# Altium PCB SAMC21_Xplained_Pro.PcbDoc (part 3 of 4)
Units mm, origin at the board's own origin, x right, y up, seen from the top; angles counter-clockwise.
Board outline 60 x 100 mm, 4 copper layers (Top Layer LF-signals, GND, POWER, Bottom Layer LF-signals), stack 1.604 mm thick; 218 components, 156 nets, 975 pads, 347 vias.
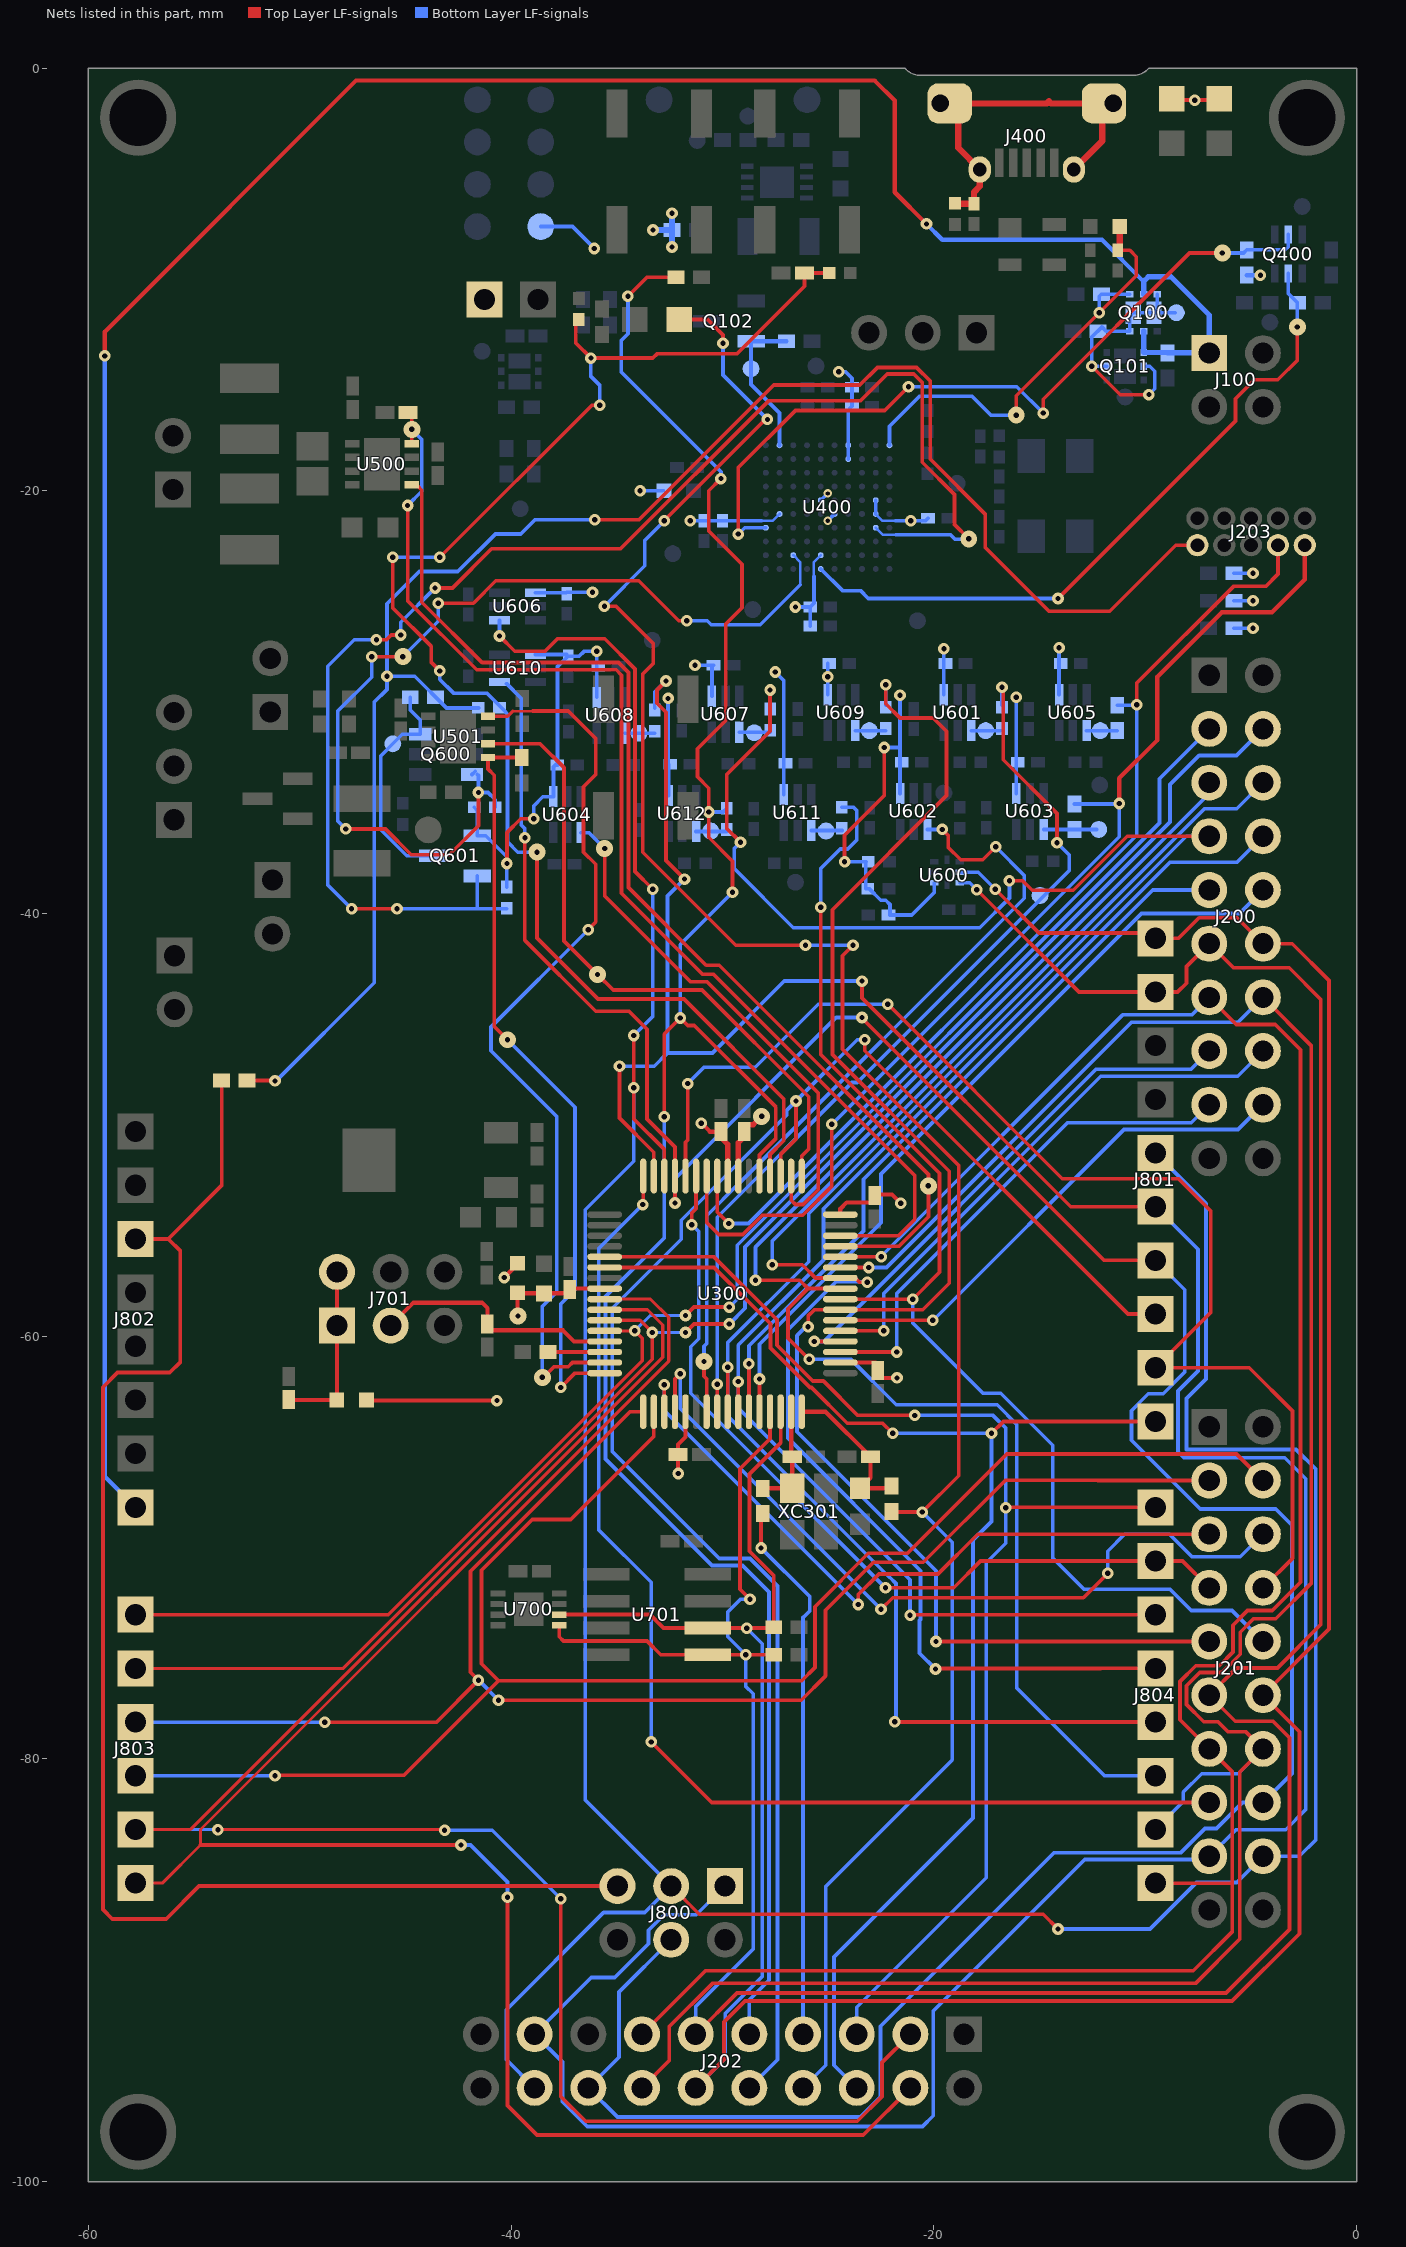
[diagram p5: the nets of this part, all layers, seen from the top]

## Via types
v1: diameter 0.55, hole 0.25, Top Layer LF-signals to Bottom Layer LF-signals, 245 vias
v2: diameter 0.55/0.8 (per signal layer), hole 0.25, Top Layer LF-signals to Bottom Layer LF-signals, tented top, 43 vias
v3: diameter 0.55, hole 0.25, Top Layer LF-signals to Bottom Layer LF-signals, tented top, 19 vias
v4: diameter 0.55, hole 0.25, Top Layer LF-signals to Bottom Layer LF-signals, tented both sides, 16 vias
v5: diameter 0.4, hole 0.2, Top Layer LF-signals to Bottom Layer LF-signals, tented both sides, 10 vias
v6: diameter 0.4, hole 0.2, Top Layer LF-signals to Bottom Layer LF-signals, tented top, 7 vias
v7: diameter 0.4, hole 0.2, Top Layer LF-signals to Bottom Layer LF-signals, 6 vias
v8: diameter 0.55/0.55 (per signal layer), hole 0.25, Top Layer LF-signals to Bottom Layer LF-signals, 1 vias

## Nets (pads, with @x,y where several pads share a name; then routed paths per layer and width w, separated by ;. In a path a pad name is that pad's centre, name@x,y a point inside that pad or via, vN(x,y) a via of type N, cw(c..) or ccw(c..) an arc to the next point about the centre after c; other vN are vias at no path point) (continued)
PA04_SDADC_VREF: C703.1 J701.3@-45.7,-59.5 U300.13 | length 11.4
  Top Layer LF-signals w0.2: J701.3@-45.7,-59.5 -44.615,-58.415 -41.385,-58.415 -41.125,-58.675 C703.1@-41.125,-59.425 ; C703.1@-40.875,-59.725 -37.55,-59.725 -37.025,-60.25 U300.13@-35.575,-60.25
PA05_QTB_Y3: R701.2 U300.14 | length 2.7
  Top Layer LF-signals w0.175: R701.2@-38.25,-60.75 U300.14@-35.575,-60.75
PA06_S0_LIN_TX: U300.15 U501.4 | length 43.3
  Top Layer LF-signals w0.125: -39.925,-30.425 -38.975,-30.425
  Top Layer LF-signals w0.15: U501.4@-41.1,-30.67 -40.17,-30.67 -39.925,-30.425
  Top Layer LF-signals w0.175: -38.975,-30.425 -37.3,-30.425 -36,-31.725 -36,-33.425 -36.575,-34 -36.575,-37.1 -36,-37.675 -36,-40.4 v1@-36.375,-40.775 ; v2@-38.5,-61.975 -37.975,-61.45 -37.3,-61.45 -37.1,-61.25 U300.15@-35.575,-61.25
  Bottom Layer LF-signals w0.175: v2(-38.525,-61.95) -38.525,-58.6 -37.85,-57.925 -37.85,-49.6 -40.95,-46.5 -40.95,-45.375 v1(-36.35,-40.775)
PA07_S0_LIN_RX: R504.1 U300.16 U501.1 | length 36
  Top Layer LF-signals w0.175: v2(-40.175,-45.975) -40.8,-45.35 -40.8,-33.463 -41.1,-33.162 U501.1@-41.1,-32.62 R504.1@-39.5,-32.62 ; R504.1@-39.5,-32.625 R504.1@-39.352,-32.773 ; v1(-37.65,-62.425) -36.975,-61.75 U300.16@-35.575,-61.75
  Bottom Layer LF-signals w0.175: v2(-40.175,-45.975) -36.975,-49.175 -36.975,-57.804 -37.65,-58.479 v1(-37.65,-62.425)
PA08_AIN10_X0: J201.3@-6.97,-66.83 J803.3@-57.778,-78.26 U300.17 | length 74.8
  Top Layer LF-signals w0.175: v1(-48.825,-78.275) -43.55,-78.275 v1(-41.55,-76.275) -41.925,-75.9 -41.925,-71.125 -34.375,-63.575 U300.17@-33.75,-63.575 ; v1@-40.525,-77.225 -26.275,-77.225 -25.125,-76.075 -25.125,-72.975 -22.85,-70.7 -20.5,-70.7 -16.625,-66.825 -12.25,-66.825 -12.245,-66.83 J201.3@-6.97,-66.83
  Bottom Layer LF-signals w0.175: J803.3@-57.778,-78.26 -57.763,-78.275 v1(-48.825,-78.275) ; v1@-41.475,-76.275 v1(-41.55,-76.275) v1(-40.6,-77.225)
PA09_AIN11_X1: J201.4@-4.43,-66.83 J803.4@-57.778,-80.8 U300.18 | length 79.3
  Top Layer LF-signals w0.175: v1@-51.175,-80.775 -45.075,-80.775 -40.6,-76.3 ; U300.18@-33.25,-63.575 -33.25,-64.75 -37.175,-68.675 -38.997,-68.675 -41.4,-71.078 -41.4,-75.5 -40.6,-76.3 ; J201.4@-4.43,-66.83 -5.685,-65.575 -16.55,-65.575 -21.25,-70.275 -23.1,-70.275 -25.625,-72.8 -25.625,-75.675 -26.25,-76.3 -40.6,-76.3
  Bottom Layer LF-signals w0.15: J803.4@-57.778,-80.8 v1(-51.175,-80.8)
PA10_GPIO_X2: J201.5@-6.97,-69.37 U300.19 | length 33.7
  Top Layer LF-signals w0.175: U300.19@-32.75,-63.575 v1(-32.75,-62.3) ; v1(-23.575,-72.7) -23.575,-72.225 -22.6,-71.25 -19.8,-71.25 -17.92,-69.37 J201.5@-6.97,-69.37
  Bottom Layer LF-signals w0.175: v1(-32.75,-62.3) -32.75,-63.525 v1(-23.575,-72.7)
PA11_GPIO_X3: J201.6@-4.43,-69.37 U300.20 | length 38
  Top Layer LF-signals w0.175: U300.20@-32.25,-63.575 -32.25,-62.025 v1(-32,-61.775) ; v1(-22.5,-72.925) -21.95,-72.375 -12.925,-72.375 v1(-11.775,-71.225)
  Bottom Layer LF-signals w0.175: v1(-32,-61.775) -32,-63.425 v1(-22.5,-72.925) ; v1(-11.775,-71.225) -11.775,-70.175 -10.975,-69.375 -8.85,-69.375 -7.782,-70.443 -5.503,-70.443 J201.6@-4.43,-69.37
PA12_S2_I2C_SDA: J200.11@-6.97,-41.43 J201.11@-6.97,-76.99 J202.11@-31.27,-93.03 J801.9@-9.518,-43.716 R305.1 U300.29 U600.7 U700.5 U701.5 | length 145.4
  Top Layer LF-signals w0.175: U700.5@-37.725,-73.675 -37.725,-74.225 -37.525,-74.425 -33.575,-74.425 -32.92,-75.08 U701.5@-30.7,-75.08 -27.58,-75.08 R305.1@-27.575,-75.075 ; J202.11@-31.27,-93.03 -29.315,-91.075 -6.175,-91.075 -3.175,-88.075 -3.175,-79 -3.95,-78.225 -5.735,-78.225 J201.11@-6.97,-76.99 -5.68,-75.7 -3.742,-75.7 -1.7,-73.658 -1.7,-44.055 -3.18,-42.575 -5.825,-42.575 J200.11@-6.97,-41.43 -8.05,-42.51 -8.05,-43.3 -8.466,-43.716 J801.9@-9.518,-43.716 -13.134,-43.716 v1(-17.975,-38.875) ; v1(-28.7,-72.45) -29.175,-71.975 -29.175,-66.275 -27.75,-64.85 U300.29@-27.75,-63.575
  Bottom Layer LF-signals w0.175: J202.11@-31.27,-93.03 -31.27,-91.72 -28.55,-89 -28.55,-76.925 -28.9,-76.575 v1(-28.9,-75.075) -29.75,-74.225 -29.75,-73.05 -29.15,-72.45 v1(-28.7,-72.45) ; U600.7@-18.77,-38.55 -18.3,-38.55 v1(-17.975,-38.875)
PA13_S2_I2C_SCL: J200.12@-4.43,-41.43 J201.12@-4.43,-76.99 J202.12@-31.27,-95.57 J801.10@-9.518,-41.176 R306.1 U300.30 U600.6 U700.6 U701.6 | length 145.2
  Top Layer LF-signals w0.125: R306.1@-27.635,-73.81 R306.1@-27.6,-73.775
  Top Layer LF-signals w0.175: U700.6@-37.725,-73.175 -33.425,-73.175 -32.79,-73.81 U701.6@-30.7,-73.81 R306.1@-27.635,-73.81 ; J202.12@-31.27,-95.57 -29.925,-94.225 -29.925,-92.45 -28.937,-91.462 -5.887,-91.462 -2.7,-88.275 -2.7,-78.72 J201.12@-4.43,-76.99 -1.3,-73.86 -1.3,-43.175 -3.045,-41.43 J200.12@-4.43,-41.43 -5.66,-40.2 -7.45,-40.2 -8.426,-41.176 J801.10@-9.518,-41.176 -9.77,-40.924 -15.026,-40.924 v1(-17.1,-38.85) ; R306.1@-27.575,-73.775 -27.575,-71.329 -28.725,-70.179 -28.725,-66.525 -27.25,-65.05 U300.30@-27.25,-63.575
  Bottom Layer LF-signals w0.175: J202.12@-31.27,-95.57 -29.875,-94.175 -29.875,-92.05 -28.123,-90.298 -28.123,-74.553 v1(-28.85,-73.825) ; U600.6@-18.77,-38.05 -17.9,-38.05 v1(-17.1,-38.85)
PA14_PWM_TC4_W0: J202.7@-26.19,-93.03 R313.2 | length 25.8
  Top Layer LF-signals w0.175: v1(-28.175,-70.025) -28.175,-68.475 R313.2@-28.1,-68.4
  Bottom Layer LF-signals w0.175: v1(-28.175,-70.025) -25.877,-72.323 -25.877,-72.6 -25.877,-73.006 -26.169,-73.298 -26.19,-73.298 J202.7@-26.19,-93.03
PA14_XIN: C318.1 R313.1 U300.31 XC301.1 | length 5
  Top Layer LF-signals w0.2: R313.1@-28.1,-67.2 XC301.1@-26.7,-67.2 C318.1@-26.7,-65.7 ; C318.1@-26.75,-65.65 U300.31@-26.75,-63.575
PA15_PWM_TC4_W1: D700.1 J202.8@-26.19,-95.57 R314.2 | length 106.5
  Top Layer LF-signals w0.175: v1(-35.587,-25.463) -35.037,-25.463 -33.275,-27.225 -33.275,-28.175 -33.775,-28.675 -33.775,-37.104 -29.379,-41.5 v1(-26.075,-41.5) ; v1(-32.75,-21.425) -32.75,-21.396 -27.979,-16.625 v1(-27.875,-16.625) ; D700.1@-32.05,-11.9 -30.7,-11.9 -29.975,-12.625 v1(-29.975,-13.025) ; v1(-23.825,-41.5) -24.325,-42 -24.325,-46.425 -18.825,-51.925 -18.825,-66.6 v1(-20.55,-68.325) -21.975,-68.325 R314.2@-22,-68.3
  Bottom Layer LF-signals w0.175: v1(-35.587,-25.463) -33.675,-23.55 -33.675,-22.35 v1(-32.75,-21.425) ; v1(-29.975,-13.025) -29.975,-14.525 v1(-27.875,-16.625) ; J202.8@-26.19,-95.57 -25.117,-94.497 -25.117,-86.042 -19.125,-80.05 -19.125,-69.75 v1(-20.55,-68.325) ; v1(-26.075,-41.5) v1(-23.825,-41.5)
PA15_XOUT: C319.1 J300.2 R314.1 U300.32 | length 7.2
  Top Layer LF-signals w0.2: U300.32@-26.25,-63.575 -25.125,-63.575 C319.1@-23,-65.7 -23,-66.7 J300.2@-23.5,-67.2 R314.1@-22.1,-67.2
PA16_S1_SPI_MISO: J200.17@-6.97,-49.05 U300.35 | length 23.9
  Top Layer LF-signals w0.175: U300.35@-24.425,-60.75 v1(-21.75,-60.75)
  Bottom Layer LF-signals w0.175: v1(-21.75,-60.75) -21.75,-57.975 -13.675,-49.9 -7.82,-49.9 J200.17@-6.97,-49.05
PA17_S1_SPI_SS: J200.15@-6.97,-46.51 U300.36 | length 25.6
  Top Layer LF-signals w0.175: v1@-25.662,-60.225 -25.637,-60.25 U300.36@-24.425,-60.25
  Bottom Layer LF-signals w0.175: v1(-25.662,-60.25) -25.2,-60.25 -12.325,-47.375 -7.835,-47.375 J200.15@-6.97,-46.51
PA18_S1_SPI_MOSI_Y22: J200.16@-4.43,-46.51 U300.37 | length 26.7
  Top Layer LF-signals w0.175: U300.37@-24.4,-59.725 U300.37@-24.425,-59.75 v1(-22.375,-59.75) v1@-22.3,-59.825
  Bottom Layer LF-signals w0.175: v1(-22.375,-59.75) -22.375,-57.977 -12.098,-47.7 -5.62,-47.7 J200.16@-4.43,-46.51
PA19_S1_SPI_SCK_Y23: J200.18@-4.43,-49.05 U300.38 | length 24.3
  Top Layer LF-signals w0.175: U300.38@-24.425,-59.25 v1(-20.05,-59.25)
  Bottom Layer LF-signals w0.175: v1@-20.075,-59.3 -11,-50.225 -5.605,-50.225 J200.18@-4.43,-49.05
PA20_GPIO_RTS_TE_Y26: J200.5@-6.97,-33.81 J804.3@-9.518,-80.8 U300.41 | length 72.6
  Top Layer LF-signals w0.175: v1(-28.437,-57.35) -26.35,-57.35 -25.95,-57.75 ; v1(-25.9,-61.1) -26.9,-60.1 -26.9,-58.7 -25.95,-57.75 ; U300.41@-24.425,-57.75 -25.95,-57.75
  Bottom Layer LF-signals w0.175: v1(-28.437,-57.35) -28.437,-55.788 -6.97,-34.32 J200.5@-6.97,-33.81 ; v1(-25.9,-61.1) -23.925,-61.1 -21.775,-63.25 -17,-63.25 -16.075,-64.175 -16.075,-76.65 -11.925,-80.8 J804.3@-9.518,-80.8
PA21_GPIO_CTS_Y27: J200.6@-4.43,-33.81 J804.5@-9.518,-75.72 U300.42 | length 72.3
  Top Layer LF-signals w0.175: v1(-27.641,-56.625) -26.225,-56.625 -25.6,-57.25 U300.42@-24.425,-57.25 -23.723,-57.25 -23.52,-57.453 v1(-23.151,-57.453) ; v1@-19.925,-75.725 -12.1,-75.725 -12.095,-75.72 J804.5@-9.518,-75.72
  Bottom Layer LF-signals w0.175: v1(-27.641,-56.625) -27.641,-55.491 -7.2,-35.05 -5.67,-35.05 J200.6@-4.43,-33.81 ; v1(-23.151,-57.453) -23.151,-57.449 -23.175,-57.425 -24.625,-57.425 -26.9,-59.7 -26.9,-64.825 -20.627,-71.098 -20.627,-73.406 -20.675,-73.454 -20.675,-75 v1(-19.925,-75.75)
PA22_S3_UART_TX: J200.14@-4.43,-43.97 J201.14@-4.43,-79.53 J202.14@-33.81,-95.57 J804.2@-9.518,-83.34 U300.43 | length 116.4
  Top Layer LF-signals w0.175: J202.14@-33.81,-95.57 -32.515,-94.275 -32.515,-92.665 -30.475,-90.625 -7.625,-90.625 -5.525,-88.525 -5.525,-80.625 J201.14@-4.43,-79.53 -5.235,-78.725 -6.075,-78.725 -6.55,-78.25 -7.227,-78.25 -8.043,-77.434 -8.043,-76.546 -7.414,-75.917 -6.367,-75.917 -5.503,-75.052 -5.503,-74.006 -4.872,-73.375 -3.825,-73.375 -2.15,-71.7 -2.15,-46.25 J200.14@-4.43,-43.97 ; U300.43@-24.425,-56.75 v1@-23.05,-56.75
  Bottom Layer LF-signals w0.175: v1(-23.075,-56.75) -22.244,-56.75 -10.644,-45.15 -5.61,-45.15 J200.14@-4.43,-43.97 ; J804.2@-9.518,-83.34 -8.2,-82.022 -8.2,-81.575 -7.325,-80.7 -5.6,-80.7 J201.14@-4.43,-79.53
PA23_S3_UART_RX: J200.13@-6.97,-43.97 J201.13@-6.97,-79.53 J202.13@-33.81,-93.03 J804.1@-9.518,-85.88 U300.44 | length 107.9
  Top Layer LF-signals w0.175: J202.13@-33.81,-93.03 -30.805,-90.025 -7.725,-90.025 -5.875,-88.175 -5.875,-80.625 J201.13@-6.97,-79.53 -8.353,-78.147 -8.353,-76.34 -7.613,-75.6 -6.5,-75.6 -5.85,-74.95 -5.85,-73.675 -5.158,-72.983 -3.986,-72.983 -2.65,-71.647 -2.65,-46.45 -3.85,-45.25 -5.69,-45.25 J200.13@-6.97,-43.97 ; U300.44@-24.425,-56.25 v1(-22.494,-56.25) ; J804.1@-9.518,-85.88 -5.88,-85.88
  Bottom Layer LF-signals w0.175: v1@-22.494,-56.225 -11.069,-44.8 -7.8,-44.8 J200.13@-6.97,-43.97
PA24_CAN0_TX: U300.45 U500.1 | length 53.5
  Top Layer LF-signals w0.175: U500.1@-44.438,-19.763 -44.225,-19.975 -44.225,-25.275 -41.375,-28.125 -34.925,-28.125 -34.45,-28.6 -34.45,-38.775 -30.775,-42.45 -30.15,-42.45 -20.25,-52.35 -20.25,-54.35 -21.64,-55.74 U300.45@-24.415,-55.74
  other v2: -20.262,-52.887
PA25_CAN0_RX: C501.1 U300.46 U500.4 | length 57.4
  Top Layer LF-signals w0.175: v1(-44.9,-20.7) -44.9,-25.2 -41.63,-28.47 -35.03,-28.47 -34.775,-28.725 -34.775,-39.05 -30.95,-42.875 -30.425,-42.875 -20.9,-52.4 -20.9,-54.475 -21.675,-55.25 U300.46@-24.425,-55.25 ; C501.1@-44.875,-16.295 -44.7,-16.47 v2(-44.7,-17.095) U500.4@-44.7,-17.77
  Bottom Layer LF-signals w0.175: v1(-44.9,-20.7) -44.225,-20.025 -44.225,-17.57 v2(-44.7,-17.095)
PA27_GPIO_SS: J202.10@-28.73,-95.57 J801.3@-9.518,-58.956 U300.51 | length 82.7
  Top Layer LF-signals w0.175: U300.51@-27.25,-52.425 -27.25,-51.4 -26.525,-50.675 v1(-26.525,-48.875) ; v1(-23.275,-45.975) -23.275,-46.5 -10.819,-58.956 J801.3@-9.518,-58.956
  Bottom Layer LF-signals w0.175: J202.10@-28.73,-95.57 -27.4,-94.24 -27.4,-71.825 -28.7,-70.525 -30.15,-70.525 -35.213,-65.463 -35.213,-58.684 -31.948,-55.419 -31.948,-54.519 -26.975,-49.546 -26.975,-49.325 v1(-26.525,-48.875) -23.625,-45.975 v1(-23.275,-45.975)
PA28_GPIO_IRQ8: J202.9@-28.73,-93.03 R621.2 R700.2 U300.53 | length 107.1
  Top Layer LF-signals w0.175: v1(-34.475,-10.8) -33.575,-9.9 R700.2@-32.2,-9.9 ; v1(-32.76,-49.625) -32.76,-45.71 v1(-32,-44.95) -31.65,-45.3 -31.338,-45.3 -27.475,-49.163 -27.475,-50.652 -28.25,-51.427 U300.53@-28.25,-52.425 ; v1(-30.075,-19.425) -30.65,-20 -30.65,-21.9 -29.077,-23.473 -29.077,-25.534 -29.85,-26.306 -29.85,-30.875 -31.187,-32.213 -31.187,-33.537 -30.65,-34.075 v1(-30.65,-35.2) -30.65,-36.4 -29.525,-37.525 v1(-29.525,-39)
  Bottom Layer LF-signals w0.175: v1(-34.475,-10.8) -34.475,-12.567 -34.785,-12.877 -34.785,-14.39 -30.075,-19.1 v1(-30.075,-19.425) ; v1(-32.76,-49.625) -32.76,-55.353 -35.533,-58.125 -35.533,-65.817 -30.502,-70.848 -29.052,-70.848 -27.8,-72.1 -27.8,-90.475 -28.73,-91.405 J202.9@-28.73,-93.03 ; v1(-32,-44.95) -32,-41.475 v1(-29.525,-39) ; v1(-30.65,-35.2) -29.975,-35.2 R621.2@-29.8,-35.025
PA30_SWCLK: J203.4@-3.72,-22.575 R612.2 U300.57 | length 47.7
  Top Layer LF-signals w0.175: U300.57@-30.25,-52.425 -30.25,-54.125 v1(-29.7,-54.675) ; v1(-10.4,-30.125) -10.4,-29.1 -5.825,-24.525 -4.3,-24.525 -3.72,-23.945 J203.4@-3.72,-22.575
  Bottom Layer LF-signals w0.175: v1(-29.7,-54.675) -28.775,-54.675 -10.4,-36.3 v1(-10.4,-30.125) -10.425,-30.15 R612.2@-11.325,-30.15
PA31_SWDIO: J203.2@-2.45,-22.575 R611.2 U300.58 | length 52.4
  Top Layer LF-signals w0.175: U300.58@-30.75,-52.425 -30.75,-54.625 -30.183,-55.192 -29.042,-55.192 -28.125,-54.275 -26.2,-54.275 -24.825,-52.9 v1(-24.825,-49.975)
  Top Layer LF-signals w0.2: v1(-11.225,-34.8) -11.225,-33.6 -9.425,-31.8 -9.425,-28.8 -6.375,-25.75 -4,-25.75 -2.45,-24.2 J203.2@-2.45,-22.575
  Bottom Layer LF-signals w0.175: v1(-24.825,-49.975) -11.225,-36.375 v1@-11.225,-34.825
  Bottom Layer LF-signals w0.2: R611.2@-13.35,-34.825 v1@-11.225,-34.825
PB00_S5_SPI_MOSI: J201.16@-4.43,-82.07 J202.16@-36.35,-95.57 J800.4@-32.429,-88.56 J801.4@-9.518,-56.416 U300.61 U610.4 | length 143.4
  Top Layer LF-signals w0.175: v1(-39.35,-36.425) -39.35,-41.275 -36,-44.625 -34.425,-44.625 -33.575,-45.475 -33.575,-49.725 -32.25,-51.05 U300.61@-32.25,-52.425 v1(-32.25,-53.703) ; v1@-23.425,-44.932 -11.941,-56.416 J801.4@-9.518,-56.416
  Bottom Layer LF-signals w0.175: U610.4@-40.225,-29.125 -39.525,-29.825 -39.525,-35.812 -39.35,-35.987 v1(-39.35,-36.425) ; J800.4@-32.429,-88.56 -34.9,-91.031 -34.9,-94.12 J202.16@-36.35,-95.57 -34.97,-96.95 -23.475,-96.95 -22.525,-96 -22.525,-92.65 -14.325,-84.45 -8.327,-84.45 -7.177,-83.3 -6.625,-83.3 -5.395,-82.07 J201.16@-4.43,-82.07 -3.05,-80.69 -3.05,-68.95 -3.825,-68.175 -7.4,-68.175 -10.65,-64.925 -10.65,-63.525 -9.851,-62.726 -9.151,-62.726 -8.125,-61.7 -8.125,-57.809 J801.4@-9.518,-56.416 ; v1(-32.25,-53.703) -32.25,-52.55 -24.625,-44.925 v1(-23.4,-44.925)
PB01_S5_SPI_SCK: J201.18@-4.43,-84.61 J202.18@-38.89,-95.57 J800.3@-32.429,-86.02 J801.6@-9.518,-51.336 U300.62 U606.4 | length 161.1
  Top Layer LF-signals w0.175: v1@-40.595,-26.875 v1@-40.55,-26.83 ; v1(-40.55,-26.875) -39.828,-27.597 -38.4,-27.597 -37.803,-27 -35.575,-27 -34.14,-28.435 -34.14,-38.012 v1(-33.302,-38.85) ; v1(-34.2,-45.775) v1(-34.2,-48.25) -34.2,-49.725 -32.75,-51.175 U300.62@-32.75,-52.425 ; J800.3@-32.429,-86.02 -31.098,-87.35 -14.825,-87.35 v1(-14.125,-88.05)
  Bottom Layer LF-signals w0.175: v1(-40.55,-26.875) U606.4@-40.55,-26.125 ; J202.18@-38.89,-95.57 -40.225,-94.235 -40.225,-91.875 -35.625,-87.275 -33.684,-87.275 J800.3@-32.429,-86.02 -36.5,-81.948 -36.5,-54.025 -34.2,-51.725 v1(-34.2,-48.25) ; v1(-34.2,-45.775) -33.302,-44.877 v1(-33.302,-38.85) ; v1(-14.125,-88.05) -9.775,-88.05 -7.575,-85.85 -5.67,-85.85 J201.18@-4.43,-84.61 -2.71,-84.61 -1.925,-83.825 -1.925,-66.3 -2.862,-65.363 -8.05,-65.363 -8.05,-62.95 -7.125,-62.025 -7.125,-53.729 J801.6@-9.518,-51.336
PB02_S5_SPI_MISO: J201.17@-6.97,-84.61 J202.17@-38.89,-93.03 J800.1@-29.889,-86.02 J801.5@-9.518,-53.876 R614.2 U300.63 | length 153.8
  Top Layer LF-signals w0.175: J202.17@-38.9,-93.02 J202.17@-38.89,-93.03 ; v1(-34.875,-47.225) -34.875,-49.675 -33.25,-51.3 U300.63@-33.25,-52.425 ; v1(-32.675,-29) -33.1,-29.425 -33.1,-30.05 -32.675,-30.475 -32.675,-37.5 v1(-31.8,-38.375) ; v1(-23.4,-43.2) -23.4,-44 -13.524,-53.876 J801.5@-9.518,-53.876
  Bottom Layer LF-signals w0.175: v1(-34.875,-47.225) -33.225,-47.225 -32.6,-46.6 ; R614.2@-33.2,-30.275 -33.2,-29.525 v1(-32.675,-29) ; v1(-31.8,-38.375) -32.6,-39.175 -32.6,-46.6 ; J800.1@-29.889,-86.02 -31.244,-87.375 -32.762,-87.375 -33.501,-88.114 -33.501,-88.751 -35.1,-90.35 -36.21,-90.35 J202.17@-38.89,-93.03 -37.575,-94.345 -37.575,-96.225 -36.4,-97.4 -20.538,-97.4 -20.025,-96.887 -20.025,-91.925 -12.86,-84.76 -7.12,-84.76 J201.17@-6.97,-84.61 -5.71,-83.35 -3.35,-83.35 -2.4,-82.4 -2.4,-66.75 -3.393,-65.757 -8.169,-65.757 -8.448,-65.479 -8.448,-64.752 -8.445,-64.75 -8.445,-62.595 -7.5,-61.65 -7.5,-55.894 J801.5@-9.518,-53.876 ; v1(-23.4,-43.2) -27.075,-43.2 -30.475,-46.6 -32.6,-46.6
PB03_S5_SPI_SS: J201.15@-6.97,-82.07 U300.64 | length 56.3
  Top Layer LF-signals w0.175: v1(-33.775,-53.775) -33.75,-53.75 U300.64@-33.75,-52.425 ; v1(-33.375,-79.2) -30.505,-82.07 J201.15@-6.97,-82.07
  Bottom Layer LF-signals w0.175: v1(-33.775,-53.775) -35.855,-55.855 -35.855,-69.17 -33.375,-71.65 v1(-33.375,-79.2)
PB04_GPIO: J202.5@-23.65,-93.03 J804.8@-9.518,-68.1 U300.5 | length 61.7
  Top Layer LF-signals w0.175: U300.5@-35.575,-56.25 -30.4,-56.25 -27.423,-59.227 -27.423,-60.431 -25.731,-62.123 -25.227,-62.123 -23.6,-63.75 v1(-20.9,-63.75) ; v1(-16.6,-68.125) -16.575,-68.1 J804.8@-9.518,-68.1
  Bottom Layer LF-signals w0.175: J202.5@-23.65,-93.03 -23.65,-91.75 -17.525,-85.625 -17.525,-70.725 -16.6,-69.8 v1(-16.6,-68.125) -16.6,-64.35 -17.2,-63.75 v1(-20.9,-63.75)
PB05_GPIO: J202.6@-23.65,-95.57 J801.1@-9.518,-64.036 U300.6 | length 64.7
  Top Layer LF-signals w0.175: U300.6@-35.575,-56.75 -30.4,-56.75 -27.733,-59.417 -27.733,-60.559 -25.859,-62.433 -25.792,-62.433 -24.1,-64.125 -22.425,-64.125 v1(-21.95,-64.6) ; v1(-17.275,-64.6) -16.711,-64.036 J801.1@-9.518,-64.036
  Bottom Layer LF-signals w0.175: J202.6@-23.65,-95.57 -24.723,-94.497 -24.723,-89.373 -18.15,-82.8 -18.15,-69.65 -17.275,-68.775 v1(-17.275,-64.6) v1(-21.95,-64.6)
PB06_AIN8_INN2: J202.4@-21.11,-95.57 J803.6@-57.778,-85.88 U300.9 | length 87.8
  Top Layer LF-signals w0.15: J803.6@-57.778,-85.88 -56.505,-85.88 -54.7,-84.075 -54.7,-83.341 -32.54,-61.181 -32.54,-59.115 -33.405,-58.25 U300.9@-35.575,-58.25
  Top Layer LF-signals w0.175: -54.7,-84.075 v1(-42.375,-84.075) ; v1(-40.175,-86.55) -40.175,-96.4 -38.775,-97.8 -23.34,-97.8 J202.4@-21.11,-95.57
  Bottom Layer LF-signals w0.175: v1(-42.375,-84.075) -41.925,-84.075 -40.175,-85.825 v1(-40.175,-86.55)
PB07_AIN9_INP2: J202.3@-21.11,-93.03 J803.5@-57.778,-83.34 U300.10 | length 89.3
  Top Layer LF-signals w0.15: J803.5@-57.778,-83.34 -55.165,-83.34 -32.825,-61 -32.825,-59.475 -33.55,-58.75 U300.10@-35.575,-58.75 ; v1(-53.875,-83.35) v1@-43.175,-83.35
  Top Layer LF-signals w0.175: v1(-37.65,-86.625) -37.65,-95.975 -36.475,-97.15 -23.625,-97.15 -22.45,-95.975 -22.45,-94.37 J202.3@-21.11,-93.03
  Bottom Layer LF-signals w0.15: J803.5@-57.778,-83.34 v1@-53.875,-83.34
  Bottom Layer LF-signals w0.175: v1(-43.15,-83.375) -40.9,-83.375 v1(-37.65,-86.625)
PB08_INN1_Y14: J200.4@-4.43,-31.27 J803.2@-57.778,-75.72 U300.11 | length 77.7
  Top Layer LF-signals w0.15: J803.2@-57.778,-75.72 -47.948,-75.72 -33.325,-61.097 v1(-33.325,-59.825) -33.9,-59.25 U300.11@-35.575,-59.25
  Top Layer LF-signals w0.175: v1(-31.75,-59.825) -31.35,-59.425 v1(-29.675,-59.425)
  Bottom Layer LF-signals w0.15: v1(-33.325,-59.825) v1(-31.75,-59.825)
  Bottom Layer LF-signals w0.175: v1(-29.675,-59.425) -28.935,-58.685 -28.935,-55.785 -8.825,-35.675 -8.825,-33.9 -7.45,-32.525 -5.685,-32.525 J200.4@-4.43,-31.27
PB09_INP1_Y15: J200.3@-6.97,-31.27 J803.1@-57.778,-73.18 U300.12 | length 73.6
  Top Layer LF-signals w0.15: J803.1@-57.778,-73.18 -45.811,-73.18 -33.8,-61.169 -33.8,-60.1 v1(-34.15,-59.75) U300.12@-35.575,-59.75
  Top Layer LF-signals w0.175: v1(-31.75,-59.025) -31.35,-58.625 v1(-29.675,-58.625)
  Bottom Layer LF-signals w0.15: v1(-34.15,-59.75) -33.425,-59.025 v1(-31.75,-59.025)
  Bottom Layer LF-signals w0.175: v1(-29.675,-58.625) -29.3,-58.25 -29.3,-55.7 -9.325,-35.725 -9.325,-33.625 J200.3@-6.97,-31.27
PB10_S4_CDC_TX: U300.23 U602.4 | length 38
  Top Layer LF-signals w0.175: v2(-30.875,-61.2) -30.875,-61.9 -30.75,-62.025 U300.23@-30.75,-63.575 ; v1(-19.6,-36.025) -19.325,-36.3 -19.325,-36.862 -18.725,-37.463 -17.688,-37.463 v1(-17.075,-36.85)
  Bottom Layer LF-signals w0.175: v2(-30.875,-61.2) -30.875,-60.475 -30.75,-60.35 -30.75,-54.3 -29.25,-52.8 -29.246,-52.8 -15.725,-39.279 -15.725,-38.2 v1(-17.075,-36.85) ; U602.4@-20.3,-36.025 v1(-19.6,-36.025)
PB11_S4_CDC_RX: pad.3@-14.975,-39.15 R607.1 U300.24 | length 43.5
  Top Layer LF-signals w0.175: U300.24@-30.25,-63.575 v1(-30.25,-62.275) ; v1(-16.775,-29.3) -16.717,-29.358 -16.717,-32.733 -14.175,-35.275 v1(-14.175,-36.65)
  Bottom Layer LF-signals w0.175: v1(-30.25,-62.275) -30.25,-54.375 -23.875,-48 -23.625,-48 -13.6,-37.975 -13.6,-37.225 v1(-14.175,-36.65) ; R607.1@-16.775,-30.15 v1(-16.775,-29.3)
PB12_PWM_TC0_W0: J200.7@-6.97,-36.35 J804.4@-9.518,-78.26 R618.2 U300.25 | length 106.5
  Top Layer LF-signals w0.175: U300.25@-29.75,-63.575 v1(-29.75,-61.475) ; v1(-29.15,-36.625) -29.798,-35.977 -29.798,-33.423 -27.75,-31.375 v1(-27.75,-29.425) ; v1(-21.85,-78.25) -21.84,-78.26 J804.4@-9.518,-78.26 ; v1(-16.425,-38.45) -15.8,-38.45 -15.35,-38.9 -13.4,-38.9 -10.85,-36.35 J200.7@-6.97,-36.35
  Bottom Layer LF-signals w0.175: v1(-29.15,-36.625) -29.45,-36.925 -29.45,-37.875 -26.65,-40.675 -17.825,-40.675 -16.425,-39.275 v1(-16.425,-38.45) ; R618.2@-27.75,-30.225 v1(-27.75,-29.425) ; v1(-21.85,-78.25) -21.792,-78.193 -21.792,-71.704 -22.084,-71.412 -22.113,-71.412 -29.75,-63.775 v1(-29.75,-61.475) -29.75,-60.3 -25.925,-56.475 -25.925,-54.213 -8.062,-36.35 J200.7@-6.97,-36.35
PB13_PWM_TC0_W1: J200.8@-4.43,-36.35 J804.6@-9.518,-73.18 U300.26 | length 65.4
  Top Layer LF-signals w0.175: U300.26@-29.25,-63.575 v1(-29.25,-62.15) ; v1@-21.125,-73.175 -21.12,-73.18 J804.6@-9.518,-73.18
  Bottom Layer LF-signals w0.175: v1(-21.125,-73.2) -21.125,-71.525 -29.25,-63.4 v1(-29.25,-62.15) -29.25,-60.425 -25.225,-56.4 -25.225,-53.975 -8.825,-37.575 -5.655,-37.575 J200.8@-4.43,-36.35
PB14_GPIO_IRQ14_Y30: J200.9@-6.97,-38.89 U300.27 | length 35.3
  Top Layer LF-signals w0.175: U300.27@-28.75,-63.575 v1(-28.75,-61.3)
  Bottom Layer LF-signals w0.175: v1(-28.75,-61.3) -28.75,-60.45 -23.325,-55.025 -23.325,-52.575 -9.64,-38.89 J200.9@-6.97,-38.89
PB15_GPIO_SS_Y31: J200.10@-4.43,-38.89 U300.28 | length 37.3
  Top Layer LF-signals w0.175: U300.28@-28.25,-63.575 v1(-28.25,-62.025)
  Bottom Layer LF-signals w0.175: v1@-28.25,-62.05 -28.25,-60.388 -22.5,-54.638 -22.5,-52.325 -10.175,-40 -5.54,-40 J200.10@-4.43,-38.89
PB16_GPIO_IRQ0: J201.9@-6.97,-74.45 R619.2 U300.39 | length 74.6
  Top Layer LF-signals w0.175: v1(-25.95,-59.55) -25.95,-59.05 -25.65,-58.75 U300.39@-24.425,-58.75 -20.525,-58.75 -19.275,-57.5 -19.275,-52.2 -24.8,-46.675 -24.8,-39.825 -19.4,-34.425 -19.4,-31.375 -20.025,-30.75 -21.6,-30.75 -22.275,-30.075 v1(-22.275,-29.175) ; v1(-19.9,-74.45) J201.9@-6.97,-74.45
  Bottom Layer LF-signals w0.175: v1(-25.95,-59.55) -26,-59.5 -26.475,-59.975 -26.475,-64.525 -19.9,-71.1 v1(-19.9,-74.45) ; R619.2@-22.275,-30.15 v1(-22.275,-29.175)
PB17_GPIO_SS: J201.10@-4.43,-74.45 R620.2 U300.40 | length 58.4
  Top Layer LF-signals w0.175: v1(-25.351,-39.702) -25.351,-46.674 -19.73,-52.295 -19.73,-56.98 v1(-21,-58.25) U300.40@-24.425,-58.25
  Bottom Layer LF-signals w0.175: v1(-25.351,-39.702) -25.351,-39.824 -25.35,-39.825 -25.35,-37.875 -24.425,-36.95 -24.075,-36.95 -23.65,-36.525 -23.65,-35.125 -23.8,-34.975 R620.2@-24.35,-34.975 ; v1(-21,-58.25) -21,-59.375 -17.675,-62.7 -16.837,-62.7 -14.375,-65.162 -14.375,-70.5 -12.9,-71.975 -8.825,-71.975 -7.817,-72.983 -5.897,-72.983 J201.10@-4.43,-74.45
PB22_LIN_EN: U300.49 U501.2 | length 30.8
  Top Layer LF-signals w0.175: U501.2@-41.1,-31.97 -38.63,-31.97 -37.5,-33.1 -37.5,-41.3 v2(-35.913,-42.887) -35.175,-43.625 -30.975,-43.625 -25.925,-48.675 -25.925,-51.15 -26.25,-51.475 U300.49@-26.25,-52.425
PB23_SS_EN: U300.50 U604.4 | length 25
  Top Layer LF-signals w0.175: v2(-35.575,-36.925) -35.575,-39.175 -31.525,-43.225 -30.75,-43.225 -25.475,-48.5 -25.475,-53.075 -26.175,-53.775 -26.55,-53.775 -26.75,-53.575 U300.50@-26.75,-52.425
  Bottom Layer LF-signals w0.175: U604.4@-36.7,-36.175 -36.325,-36.175 v2(-35.575,-36.925)
PB30_PWM_TCC0_W0: J201.7@-6.97,-71.91 J804.7@-9.518,-70.64 U300.59 | length 39.9
  Top Layer LF-signals w0.175: v1(-31.45,-54.725) -31.45,-54.175 -31.25,-53.975 U300.59@-31.25,-52.425 ; v1(-22.29,-71.91) -19.06,-71.91 -17.79,-70.64 J804.7@-9.518,-70.64 -8.24,-70.64 J201.7@-6.97,-71.91
  Bottom Layer LF-signals w0.175: v1(-31.45,-54.725) -31.125,-55.05 -31.125,-60.125 -31.5,-60.5 -31.5,-62.7 v1@-22.425,-71.775
PB31_PWM_TCC0_W1: J201.8@-4.43,-71.91 J801.2@-9.518,-61.496 U300.60 | length 59.6
  Top Layer LF-signals w0.175: U300.60@-31.75,-52.425 -31.75,-50.823 -31.65,-50.723 v1(-31.65,-48.05) ; v1(-22.175,-44.3) -13.925,-52.55 -8.425,-52.55 -6.9,-54.075 -6.9,-58.878 J801.2@-9.518,-61.496 -5.079,-61.496 -3.035,-63.54 -3.035,-70.515 J201.8@-4.43,-71.91
  Bottom Layer LF-signals w0.175: v1(-31.65,-48.05) -30.875,-47.275 -28.45,-47.275 -25.475,-44.3 v1(-22.175,-44.3)
POWER_LED_CTRL: Q400.2 R410.1 U400.K4 | length 36.9
  Top Layer LF-signals w0.175: v1(-29.25,-22.05) -29.25,-18.9 -26.55,-16.2 -22.325,-16.2 v1(-21.2,-15.075) ; v1(-14.825,-16.325) -14.825,-15.675 -7.9,-8.75 v2(-6.35,-8.75)
  Bottom Layer LF-signals w0.175: v1(-29.25,-22.05) -28.95,-21.75 U400.K4@-27.95,-21.75 ; v1(-21.2,-15.075) -16.075,-15.075 v1(-14.825,-16.325) ; v2(-6.35,-8.75) -5.35,-8.75 R410.1@-5.2,-8.6 -3.375,-8.6 -3.225,-8.45 Q400.2@-3.225,-7.875
RESET_UNO: J800.5@-34.969,-86.02 J802.3@-57.778,-55.4 R800.2 | length 70
  Top Layer LF-signals w0.175: J802.3@-57.778,-55.4 -56.225,-55.4 ; R800.2@-53.7,-48.125 -53.7,-52.875 -56.225,-55.4 ; J800.5@-34.969,-86.02 -54.77,-86.02 -56.325,-87.575 -58.875,-87.575 -59.315,-87.134 -59.315,-62.416 -58.625,-61.725 -56.15,-61.725 -55.65,-61.225 -55.65,-55.975 -56.225,-55.4
SHIELD: C403.2 J400.6@-11.512,-1.675 J400.7@-19.687,-1.675 J400.8@-13.375,-4.8 J400.9@-17.825,-4.8 R424.2 | length 18.7
  Top Layer LF-signals w0.2: -16.8,-1.675 -16.775,-1.65 ; -14.55,-1.575 -14.45,-1.675
  Top Layer LF-signals w0.3: R424.2@-19,-6.4 -18.975,-6.425 C403.2@-18.1,-6.425 -18.1,-5.875 -17.825,-5.6 J400.9@-17.825,-4.8 -18.85,-3.775 -18.85,-2.512 J400.7@-19.687,-1.675 -16.8,-1.675 -14.65,-1.675 -14.55,-1.575 ; -14.45,-1.675 J400.6@-11.512,-1.675 -12.025,-2.188 -12.025,-3.45 J400.8@-13.375,-4.8
STATUS_LED_CTRL: Q400.5 R413.2 U400.F1 | length 32.7
  Top Layer LF-signals w0.175: v4(-14.125,-25.1) -5.725,-16.7 -5.725,-15.65 -4.825,-14.75 -3.725,-14.75 -2.8,-13.825 v2(-2.8,-12.25)
  Bottom Layer LF-signals w0.175: U400.F1@-25.35,-23.7 -24.325,-24.725 -23.475,-24.725 -23.1,-25.1 v4(-14.125,-25.1) ; Q400.5@-3.225,-9.725 -3.225,-10.675 R413.2@-2.8,-11.1 v2(-2.8,-12.25)
T\A\R\G\E\T\_\V\C\C\_\E\N\A\B\L\E\: pad.3@-28.65,-14.225 Q102.2 R105.2 U400.J10 | length 7.2
  Bottom Layer LF-signals w0.2: U400.J10@-27.3,-17.85 -27.3,-16.325 -28.65,-14.975 Q102.2@-28.65,-12.925 R105.2@-26.975,-12.925
TARGET_CDC_RX: pad.3@-17.55,-31.35 R607.2 U601.4 | length 1.4
  Bottom Layer LF-signals w0.175: U601.4@-18.225,-31.35 R607.2@-16.775,-31.35
TARGET_DGI_GPIO0: pad.3@-28.5,-31.45 R618.1 U607.4 | length 1.4
  Bottom Layer LF-signals w0.175: U607.4@-29.2,-31.425 R618.1@-27.75,-31.425
TARGET_DGI_GPIO1: pad.3@-23.05,-31.35 R619.1 U609.4 | length 1.5
  Bottom Layer LF-signals w0.175: U609.4@-23.725,-31.35 R619.1@-22.275,-31.35
TARGET_DGI_GPIO2: pad.3@-25.1,-36.1 R620.1 U611.4 | length 1.5
  Bottom Layer LF-signals w0.175: U611.4@-25.8,-36.075 R620.1@-24.35,-36.075
TARGET_DGI_GPIO3: pad.3@-30.55,-36.1 R621.1 U612.4 | length 1.5
  Bottom Layer LF-signals w0.175: U612.4@-31.25,-36.125 R621.1@-29.8,-36.125
TARGET_DGI_SPI_MISO: pad.3@-33.95,-31.475 R614.1 U608.4 | length 1.4
  Bottom Layer LF-signals w0.175: U608.4@-34.65,-31.475 R614.1@-33.2,-31.475
TARGET_RESET: Q601.2 R605.1 U400.B4 | length 68.1
  Top Layer LF-signals w0.175: v1(-47.55,-39.775) v1(-45.4,-39.775) ; v1(-46.375,-27.05) -45.9,-27.05 -45.675,-26.825 v1(-45.225,-26.825) ; v1(-43.6,-24.6) -42.775,-24.6 -40.925,-22.75 -34.825,-22.75 -27.823,-15.748 -23.483,-15.748 -22.21,-14.475 -20.95,-14.475 -20.55,-14.875 -20.55,-18.65 -19.023,-20.177 -19.023,-21.602 v2(-18.35,-22.275)
  Bottom Layer LF-signals w0.125: U400.B4@-22.75,-21.75 -22.425,-22.075 -21.8,-22.075
  Bottom Layer LF-signals w0.175: v1(-47.55,-39.775) -48.675,-38.65 -48.675,-28.3 -47.425,-27.05 v1(-46.375,-27.05) ; v1(-45.4,-39.775) -41.6,-39.775 ; v1(-45.225,-26.825) -45.225,-26.225 v1(-43.6,-24.6) ; Q601.2@-41.6,-38.225 -41.6,-39.775 ; R605.1@-40.213,-39.775 -41.6,-39.775 ; -21.8,-22.075 -19.225,-22.075 -19,-22.3 v2@-18.35,-22.3
TARGET_RESET_CON: J203.10@-7.53,-22.575 R609.1 R610.2 R800.1 | length 83.2
  Top Layer LF-signals w0.175: R800.1@-52.5,-47.9 -51.2,-47.9 v1@-51.15,-47.95 ; v1(-36.05,-21.375) -33.946,-21.375 -27.571,-15 -23.502,-15 -22.667,-14.165 -20.822,-14.165 -20.175,-14.812 -20.175,-18.5 -17.575,-21.1 -17.575,-22.675 -14.55,-25.7 -11.675,-25.7 -8.55,-22.575 J203.10@-7.53,-22.575
  Bottom Layer LF-signals w0.175: v1@-51.15,-47.95 -46.475,-43.275 -46.475,-36.176 -46.485,-36.166 -46.485,-30.01 -45.875,-29.4 v1(-45.875,-28.775) ; R609.1@-41.55,-30.275 -43.062,-30.275 -44.562,-28.775 v1(-45.875,-28.775) ; v1(-36.05,-21.375) -38.875,-21.375 -39.543,-22.043 -40.743,-22.043 -42.525,-23.825 -44.35,-23.825 -45.875,-25.35 v1(-45.875,-28.775)
  other v1: -51.175,-47.925
TARGET_RESET_SENSE: C301.1 R300.1 R304.2 R609.2 U300.52 | length 71.8
  Top Layer LF-signals w0.175: v1(-45.6,-23.145) -45.6,-25.55 -43.775,-27.375 -43.775,-28.125 v1(-43.375,-28.525) ; v1(-43.375,-23.145) -36.181,-15.951 v1(-35.802,-15.951) ; v2(-38.775,-37.1) -38.775,-41.163 -35.887,-44.05 -31.825,-44.05 -27.1,-48.775 -27.1,-50.755 -27.75,-51.405 U300.52@-27.75,-52.425 ; R300.1@-36.95,-11.9 -36.95,-13 v1(-36.227,-13.723) -33.3,-13.723 -33.102,-13.525 -29.325,-13.525 -26.125,-10.325 C301.1@-26.125,-9.7 R304.2@-25,-9.7 ; v1@-35.802,-15.927 v1(-35.802,-15.951) ; v1@-35.802,-15.827 v1(-35.802,-15.951)
  Bottom Layer LF-signals w0.175: v1(-45.6,-23.145) v1(-43.375,-23.145) ; v1@-43.375,-28.475 -43.375,-28.925 -42.725,-29.575 -41.15,-29.575 -40.25,-30.475 -40.25,-30.5 -40.175,-30.575 -40.175,-36.612 -39.688,-37.1 v2(-38.775,-37.1) ; v1(-36.227,-13.723) -36.227,-14.598 -35.802,-15.023 v1(-35.802,-15.951)
TARGET_RESET_SENSE_LEVEL: Q600.6 R603.1 U400.H2 | length 45.7
  Top Layer LF-signals w0.175: v1(-47.825,-36) -45.95,-36 -44.725,-37.225 -42.925,-37.225 -41.55,-35.85 v1(-41.55,-34.275) ; v1(-46.6,-27.85) v2(-45.125,-27.85) ; v1(-43.45,-25.325) -41.787,-25.325 -40.725,-24.262 -33.963,-24.262 -32.075,-26.15 v1(-31.688,-26.15)
  Bottom Layer LF-signals w0.125: U400.H2@-26.65,-23.05 -26.325,-23.375 -26.325,-24.45
  Bottom Layer LF-signals w0.175: v1(-47.825,-36) -48.2,-35.625 -48.2,-30.425 -46.6,-28.825 v1(-46.6,-27.85) ; v2(-45.125,-27.85) -43.45,-26.175 v1(-43.45,-25.325) ; Q600.6@-41.85,-33.425 Q600.6@-41.7,-33.275 ; Q600.6@-41.6,-33.425 -41.55,-33.475 v1(-41.55,-34.275) -41.092,-34.275 -40.75,-34.617 R603.1@-40.75,-34.975 ; v1(-31.688,-26.15) -30.725,-26.15 -30.535,-26.34 -28.215,-26.34 -26.325,-24.45
TARGET_RESET_SENSE_X: pad.3@-45.6,-31.975 Q600.3 Q601.3 R610.1 | length 10.7
  Bottom Layer LF-signals w0.175: R610.1@-44.775,-29.775 -44.775,-30.375 -44.3,-30.85 Q600.3@-44.3,-31.525 -45.15,-31.525 pad.3@-45.6,-31.975 -46.175,-32.55 -46.175,-36.037 -44.937,-37.275 Q601.3@-43.7,-37.275
TARGET_SWCLK: pad.3@-12.125,-31.35 R612.1 U605.4 | length 1.4
  Bottom Layer LF-signals w0.175: U605.4@-12.775,-31.35 R612.1@-11.325,-31.35
TARGET_SWDIO: pad.3@-12.2,-36.025 R611.1 U603.4 | length 2.5
  Bottom Layer LF-signals w0.175: U603.4@-14.8,-36.025 R611.1@-13.35,-36.025 pad.3@-12.3,-36.025
VCC_AREF_P3V3_P5V0: C700.1 J701.1@-48.24,-59.5 J701.2@-48.24,-56.96 L700.2 | length 8.4
  Top Layer LF-signals w0.2: C700.1@-50.525,-63 -50.5,-63.025 L700.2@-48.25,-63.025 ; L700.2@-48.24,-63.025 J701.1@-48.24,-59.5 J701.2@-48.24,-56.96
VCC_EDBG_P3V3: C409.1 C410.1 C411.1 C412.1 C413.1 C414.1 C415.1 C600.1 C602.1 C604.1 C606.1 C608.1 C610.1 C612.1 C614.1 C616.1 C618.1 C620.1 C622.1 C624.1 D400.2 D401.2 L402.1 Q601.1 R401.2 R402.2 R409.2 R410.2 R425.1 R601.2 R602.2 R603.2 R605.2 TP407.1 U400.B5 U400.B6 U400.D9 U400.D10 U400.E5 U400.F2 U400.F6 U400.J5 U600.1 U601.1 U602.1 U603.1 U604.1 U605.1 U606.1 U607.1 U608.1 U609.1 U610.1 U611.1 U612.1 | length 96
  Top Layer LF-signals w0.175: v1(-40.2,-37.637) -40.2,-36.175 -39.55,-35.525 v1(-38.925,-35.525) ; v1(-24.225,-37.55) -24.225,-36.3 -22.35,-34.425 v1(-22.35,-32.15)
  Top Layer LF-signals w0.2: D400.2@-8.756,-1.518 D401.2@-6.47,-1.518
  Bottom Layer LF-signals w0.125: -28.159,-21.425 -27.625,-21.425 U400.J5@-27.3,-21.1 ; -25.675,-24.05 -25.675,-23.375 U400.F2@-25.35,-23.05 ; U400.B5@-22.75,-21.1 -22.425,-21.425 -21.825,-21.425
  Bottom Layer LF-signals w0.175: R603.2@-41.75,-34.975 -41.6,-35.125 Q601.1@-41.6,-36.325 -41.2,-36.325 -40.213,-37.312 R605.2@-40.213,-38.75 ; v1(-38.925,-35.525) -38.925,-34.9 -38.5,-34.475 U604.1@-38,-34.475 -38,-33.075 C608.1@-37.9,-32.975 ; U610.1@-38.85,-27.75 C620.1@-37.375,-27.75 ; U606.1@-38.85,-24.825 -37.4,-24.825 -37.375,-24.8 v1(-36.15,-24.8) ; TP407.1@-38.6,-7.5 -37.1,-7.5 v1(-36.062,-8.538) ; C608.1@-37.805,-32.975 -37.805,-28.315 -37.375,-27.885 -37.375,-27.825 -36.775,-27.825 -36.55,-27.6 v1(-35.95,-27.6) U608.1@-35.95,-29.775 ; v1(-33.9,-20) L402.1@-32.775,-20 ; v1(-32.575,-29.825) -32.575,-32.925 -32.55,-32.95 U612.1@-32.55,-34.425 ; v1(-31.525,-21.425) C414.1@-30.875,-21.425 C413.1@-30,-21.425 -28.159,-21.425 ; v1(-31.3,-28.25) C614.1@-30.5,-28.25 ; U607.1@-30.5,-29.725 C614.1@-30.5,-28.25 ; C614.1@-30.425,-28.25 C614.1@-30.5,-28.25 ; v1(-27.5,-28.575) -27.1,-28.975 -27.1,-32.9 U611.1@-27.1,-34.375 ; v4(-26.55,-25.5) C412.1@-25.85,-25.5 ; C415.1@-25.85,-26.4 C412.1@-25.85,-25.5 ; -25.675,-24.05 -25.675,-25.325 C412.1@-25.85,-25.5 ; U400.F6@-25.35,-20.45 v5(-25.025,-20.125) ; U609.1@-25.025,-29.65 C618.1@-25.025,-28.175 ; v5(-25.025,-21.425) U400.E5@-24.7,-21.1 ; v4(-24.5,-14.375) -24.175,-14.375 -23.875,-14.675 C409.1@-23.875,-15.1 C410.1@-23.875,-16 -24.05,-16.175 U400.D10@-24.05,-17.85 U400.D9@-24.05,-18.5 ; v1(-24.225,-37.55) -23.2,-37.55 -23.225,-37.575 -23.225,-38.825 -23.065,-38.825 -22.517,-39.373 -22.277,-39.373 -22.075,-39.575 -22.075,-40.075 -21.05,-40.075 -19.98,-39.005 U600.1@-19.98,-38.55 ; U400.B5@-22.75,-21.1 U400.B6@-22.75,-20.45 ; v1(-22.35,-32.15) -21.6,-32.15 ; -21.825,-21.425 v3(-21.1,-21.425) -20.4,-21.425 C411.1@-20.275,-21.3 ; U602.1@-21.6,-34.325 -21.6,-32.85 -21.6,-32.15 ; v1(-21.6,-29.675) -21.6,-32.15 ; U601.1@-19.525,-29.65 v1(-19.525,-27.475) ; U603.1@-16.1,-34.325 v1(-16.1,-29.775) ; U605.1@-14.075,-29.65 v1(-14.075,-27.425) ; R409.2@-5.8,-26.5 v3(-4.9,-26.5) ; R402.2@-5.8,-25.2 v3(-4.9,-25.2) ; R401.2@-5.8,-23.9 v3(-4.9,-23.9)
  Bottom Layer LF-signals w0.2: R410.2@-5.2,-9.8 v3(-4.55,-9.8)
  Bottom Layer LF-signals w0.3: v3(-33.29,-7.665) R425.1@-32.39,-7.665 ; v3(-32.39,-8.465) R425.1@-32.39,-7.665 ; v3(-32.39,-6.865) R425.1@-32.39,-7.665
  other v1: -25.025,-28.8 -7.65,-1.525
VCC_EDBG_USB_P5V0: C408.1 L401.2 Q100.1 R103.2 U400.A10 | length 22.1
  Top Layer LF-signals w0.175: v2(-16.1,-16.425) -16.1,-15.5 -10.425,-9.825 -10.425,-8.925 -10.725,-8.625 C408.1@-11.3,-8.625
  Top Layer LF-signals w0.3: C408.1@-11.3,-8.625 -11.2,-8.525 L401.2@-11.2,-7.5
  Bottom Layer LF-signals w0.175: U400.A10@-22.1,-17.85 -22.1,-16.95 -20.675,-15.525 -18.2,-15.525 -17.3,-16.425 v2(-16.1,-16.425) ; v1(-12.175,-11.575) -12.175,-10.8 R103.2@-12.075,-10.7 Q100.1@-10.725,-10.7
VCC_EXT_GATE: pad.3@-8.525,-11.575 Q100.3 Q100.6 Q100.7 Q100.8 Q101.2 Q101.5 R107.2 | length 13.1
  Top Layer LF-signals w0.175: v3(-12.525,-14.11) -11.18,-15.455 v1@-9.825,-15.455
  Bottom Layer LF-signals w0.175: Q101.5@-11.825,-14.11 v3(-12.525,-14.11) -12.525,-12.725 -12.05,-12.25 -11.85,-12.45 Q100.6@-10.725,-12.45 -10.725,-11.735 Q100.7@-10.565,-11.575 Q100.8@-9.585,-11.575 ; Q101.2@-10.075,-14.11 -9.79,-14.11 -9.55,-14.35 -9.55,-15.175 v1(-9.825,-15.45) ; Q100.3@-9.425,-10.7 -9.425,-11.415 Q100.8@-9.585,-11.575 ; pad.3@-8.575,-11.575 Q100.8@-9.585,-11.575
VCC_EXT_P5V0: J100.1@-6.97,-13.49 J802.8@-57.778,-68.1 Q100.2 Q100.5 Q101.1 R106.2 | length 127.3
  Top Layer LF-signals w0.2: v1(-59.225,-13.62) -59.225,-12.475 -47.335,-0.585 -22.8,-0.585 -21.85,-1.535 -21.85,-5.875 v1(-20.35,-7.375)
  Bottom Layer LF-signals w0.2: v1(-59.225,-13.62) -59.225,-66.653 J802.8@-57.778,-68.1 ; v1(-20.35,-7.375) -19.6,-8.125 -12.05,-8.125 -10.075,-10.1
  Bottom Layer LF-signals w0.25: Q100.5@-10.075,-12.45 Q101.1@-10.075,-13.46 -8.965,-13.46 R106.2@-8.95,-13.475 -6.985,-13.475 J100.1@-6.97,-13.49 -6.97,-11.68 -8.775,-9.875 -9.85,-9.875 -10.075,-10.1 Q100.2@-10.075,-10.7
VCC_MCU_CORE: C308.1 U300.55 | length 3.5
  Top Layer LF-signals w0.25: U300.55@-29.25,-52.425 -29.25,-50.85 -28.975,-50.575 C308.1@-28.975,-50.325 -28.975,-50 -28.55,-50 v2(-28.15,-49.6)
VCC_MCU_P3V3_P5V0: C304.1 C305.1 C306.1 C307.1 J101.1 L300.1 L700.1 U300.21 U300.34 U300.48 U300.56 | length 20.7
  Top Layer LF-signals w0.2: L700.1@-46.875,-63.05 v1(-40.675,-63.05) ; v4(-40.325,-57.225) -39.925,-56.825 -39.95,-56.825 L300.1@-39.7,-56.575 ; v1(-32.1,-66.5) C306.1@-32.1,-65.6 -32.1,-65.125 -31.75,-64.775 U300.21@-31.75,-63.575 ; v1(-31,-49.925) -30.6,-50.325 C307.1@-30.075,-50.325 C307.1@-30.075,-50.6 ; U300.34@-24.425,-61.25 -22.75,-61.25 -22.65,-61.35 C305.1@-22.65,-61.625 -22.65,-61.893 -22.567,-61.976 v1(-21.742,-61.976) ; U300.48@-24.425,-54.25 -24.425,-53.975 -24.125,-53.675 -22.7,-53.675 -22.7,-53.3 -21.975,-53.3 v1(-21.562,-53.713)
  Top Layer LF-signals w0.25: C307.1@-30.075,-50.6 -29.75,-50.925 U300.56@-29.75,-52.425
  Bottom Layer LF-signals w0.2: v1(-21.742,-61.976) v1@-21.717,-61.951
VCC_MCU_VDDANA: C309.1 C310.1 L300.2 U300.8 | length 5.3
  Top Layer LF-signals w0.2: L300.2@-39.7,-57.95 -39.7,-59.025 v2(-39.675,-59.05) ; L300.2@-39.698,-57.974 C309.1@-38.45,-57.974 -37.399,-57.974 C310.1@-37.225,-57.8 -37.175,-57.75 U300.8@-35.575,-57.75